# Altium PCB LED_12T-V1.1拼.PcbDoc (part 4 of 5)
Units mm, origin at the board's own origin, x right, y up, seen from the top; angles counter-clockwise.
Board outline 152.4 x 101.6 mm, 2 copper layers (Top Layer, Bottom Layer); 148 components, 0 nets, 416 pads, 236 vias.
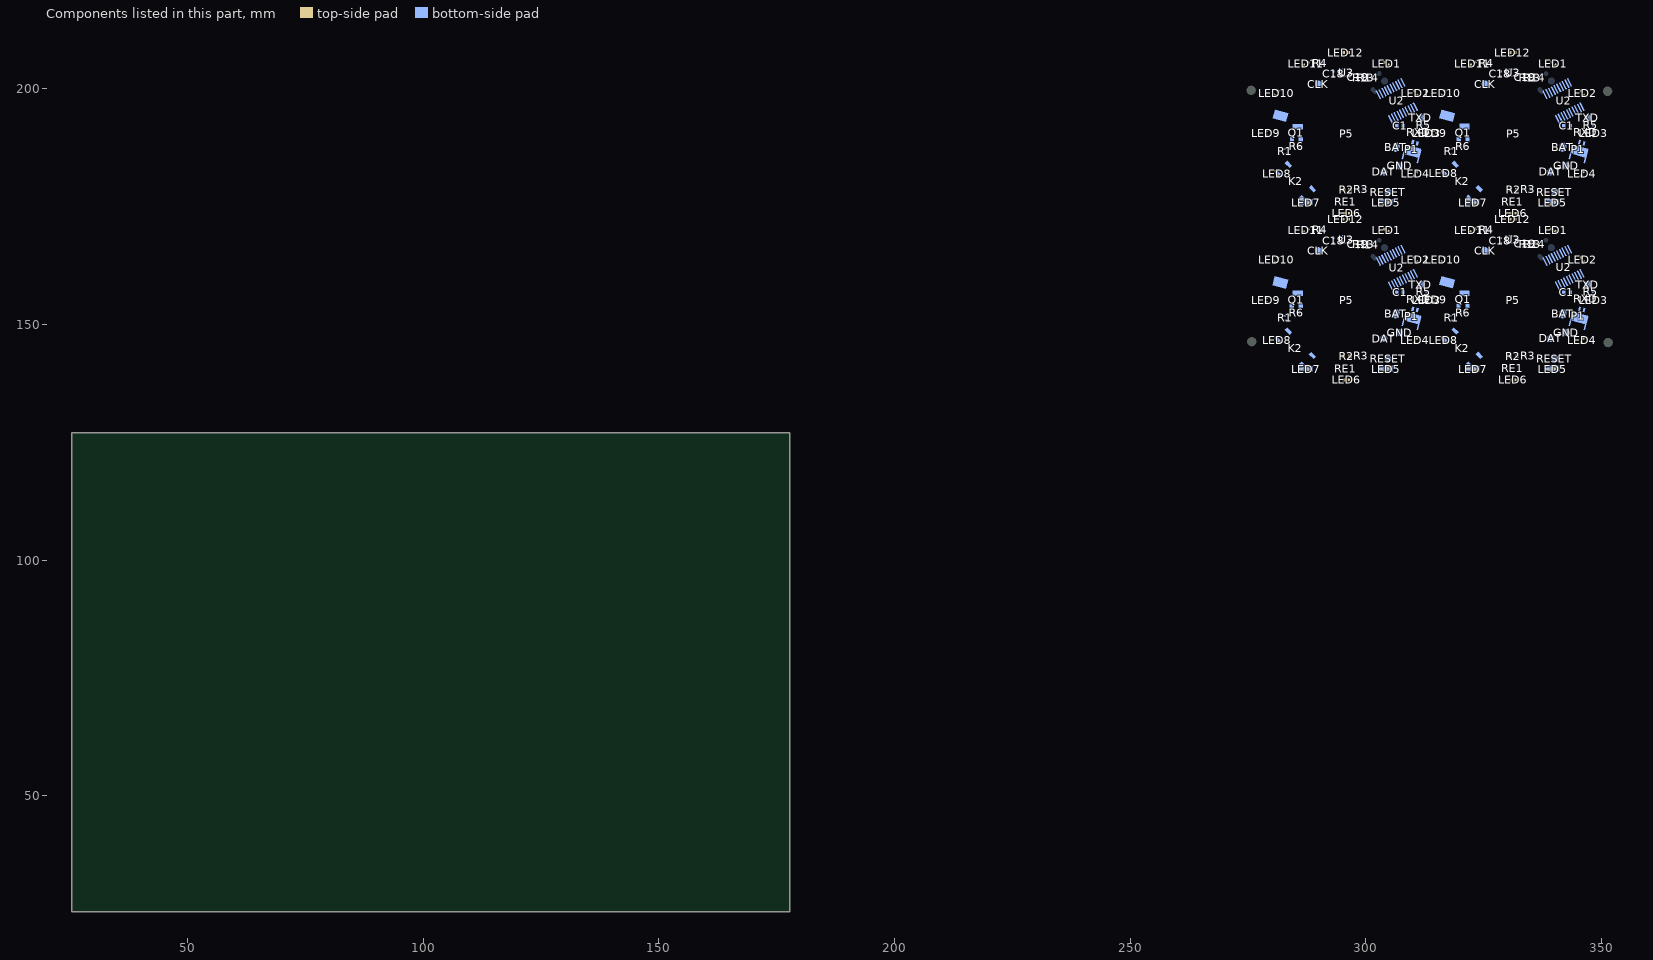
[diagram p4: the components of this part, seen from the top]

## Via types
v1: diameter 0.5, hole 0.3, Top Layer to Bottom Layer, 236 vias

## Nets (pads, with @x,y where several pads share a name; then routed paths per layer and width w, separated by ;. In a path a pad name is that pad's centre, name@x,y a point inside that pad or via, vN(x,y) a via of type N, cw(c..) or ccw(c..) an arc to the next point about the centre after c; other vN are vias at no path point) (continued)
copper on no net: (continued)
  Bottom Layer w0.254: v1@280.344,149.433 280.344,152.446 v1@282.397,154.499 ; v1@280.349,184.792 280.349,187.805 v1@282.402,189.858 ; 282.549,157.988 282.736,157.988 283.139,157.585 v1@283.592,157.585 ; 282.555,193.347 282.742,193.347 283.145,192.944 v1@283.597,192.944 ; 282.708,151.94 283.164,152.462 ; 282.714,187.299 283.17,187.821 ; 282.736,159.414 283.946,159.414 284.133,159.228 284.133,158.864 v1@283.936,158.667 ; 282.742,194.773 283.951,194.773 284.138,194.587 284.138,194.223 v1@283.942,194.026 ; 282.852,151.973 282.957,151.973 283.242,152.258 283.242,156.117 282.077,156.652 279.778,156.929 279.512,157.472 279.443,157.645 280.205,160.533 280.61,161.55 281.187,161.885 282.989,162.174 283.714,162.574 ; 282.858,187.332 282.963,187.332 283.247,187.617 283.247,191.477 282.082,192.011 279.783,192.288 279.518,192.831 279.448,193.004 280.211,195.892 280.615,196.909 281.193,197.244 282.995,197.533 283.719,197.933 ; 282.877,150.86 282.969,150.86 ; 282.883,186.219 282.974,186.219 ; 282.897,150.724 284.038,150.417 ; 282.902,186.083 284.044,185.776 ; 282.946,150.879 283.564,150.879 290.291,144.152 290.291,140.686 291.029,139.948 v1@291.136,139.948 ; 282.952,186.238 283.569,186.238 290.297,179.511 290.297,176.045 291.035,175.307 v1@291.142,175.307 ; 283.007,150.808 283.007,150.912 ; 283.012,186.167 283.012,186.271 ; 283.169,158.352 283.189,158.333 283.189,157.674 ; 283.174,193.711 283.194,193.692 283.194,193.033 ; 283.285,150.745 283.71,150.656 ; 283.291,186.104 283.716,186.015 ; 283.326,157.664 283.326,159.031 283.621,159.326 ; 283.332,193.023 283.332,194.39 283.627,194.685 ; 283.464,158.785 283.504,158.785 ; 283.469,194.144 283.509,194.144 ; v1@283.503,157.742 283.503,158.559 v1@283.995,159.05 ; v1@283.509,193.101 283.509,193.918 v1@284.001,194.41 ; 283.513,148.588 284.263,148.32 286.78,145.645 ; 283.519,183.947 284.269,183.679 286.785,181.004 ; 283.552,158.864 283.552,158.937 283.554,158.939 ; 283.558,194.223 283.558,194.296 283.56,194.298 ; 283.564,148.622 283.564,148.281 286.273,145.573 v1@287.714,145.573 ; 283.57,183.981 283.57,183.64 286.278,180.932 v1@287.72,180.932 ; 283.611,159.149 283.69,159.07 283.69,158.923 ; 283.617,194.508 283.696,194.429 283.696,194.282 ; v1@283.631,158.116 283.631,158.426 ; v1@283.637,193.475 283.637,193.785 ; 283.648,148.328 285.155,146.876 ; 283.653,183.687 285.16,182.235 ; 283.747,159.078 283.936,159.267 283.975,159.267 ; 283.753,194.437 283.942,194.626 283.981,194.626 ; 283.774,162.588 290.172,164.737 290.5,165.397 ; 283.779,197.947 290.178,200.096 290.505,200.756 ; 283.788,159.218 283.788,159.236 ; 283.79,148.565 286.512,145.543 ; 283.794,194.577 283.794,194.595 ; 283.795,183.924 286.517,180.902 ; v1@283.805,144.149 285.126,145.47 v1@287.852,145.47 ; v1@283.811,179.508 285.132,180.829 v1@287.857,180.829 ; 284.929,156.94 285.004,157.475 285.249,157.512 285.471,157.482 285.531,157.282 285.598,156.925 285.368,156.599 285.338,156.591 ; 284.935,192.299 285.009,192.834 285.254,192.871 285.477,192.841 285.536,192.641 285.603,192.284 285.373,191.958 285.343,191.95 ; 284.963,156.836 284.963,157.03 v1@285.05,157.117 ; 284.969,192.195 284.969,192.389 v1@285.055,192.476 ; v1@285.089,142.023 286.081,141.182 ; v1@285.095,177.382 286.086,176.541 ; v1@285.136,142.273 286.075,142.273 287.398,140.95 287.523,140.95 ; 285.136,156.749 285.136,157.257 v1@285.147,157.268 ; v1@285.141,177.632 286.08,177.632 287.403,176.309 287.529,176.309 ; 285.142,192.108 285.142,192.617 v1@285.153,192.627 ; v1(285.15,142.173) 286.174,141.15 286.304,141.15 ; v1(285.156,177.532) 286.179,176.509 286.31,176.509 ; 285.212,156.684 285.277,156.749 v1@285.277,157.257 ; 285.218,192.043 285.283,192.108 v1@285.283,192.617 ; v1@285.385,157.225 285.418,157.193 285.418,156.879 ; v1@285.391,192.584 285.423,192.552 285.423,192.238 ; 285.404,142.13 286.084,141.45 286.316,141.45 ; 285.41,177.489 286.089,176.81 286.321,176.81 ; 285.645,142.094 286.084,141.656 286.182,141.656 ; 285.651,177.453 286.089,177.015 286.187,177.015 ; 285.731,152.8 285.829,152.898 285.829,153.709 286.013,153.893 ; 285.737,188.159 285.834,188.257 285.834,189.068 286.018,189.252 ; 285.75,152.329 285.75,150.126 293.225,142.651 299.056,142.651 299.529,143.124 299.529,143.249 ; 285.755,187.688 285.755,185.485 293.23,178.01 299.062,178.01 299.535,178.483 299.535,178.608 ; 285.807,152.541 285.807,152.595 285.991,152.779 285.991,153.882 ; 285.813,187.9 285.813,187.954 285.997,188.138 285.997,189.241 ; 285.818,152.4 285.818,152.508 286.272,152.963 286.272,153.731 ; 285.824,187.759 285.824,187.867 286.278,188.322 286.278,189.09 ; 285.842,142.076 286.084,141.835 286.11,141.835 ; 285.848,177.435 286.089,177.194 286.116,177.194 ; 285.887,141.594 285.887,141.105 286.033,140.959 286.11,140.959 ; 285.892,176.953 285.892,176.464 286.038,176.318 286.116,176.318 ; 285.907,150.087 285.907,152.594 ; 285.913,185.446 285.913,187.954 ; 285.969,152.367 286.175,152.573 286.175,153.882 ; 285.975,187.727 286.181,187.932 286.181,189.241 ; 285.976,142.121 286.307,141.79 286.379,141.79 ; 285.982,177.48 286.313,177.149 286.384,177.149 ; 286.074,152.604 286.074,149.801 286.586,149.29 ; 286.078,146.256 v1@287.851,145.717 ; 286.08,187.963 286.08,185.16 286.591,184.649 ; 286.083,181.615 v1@287.856,181.076 ; 286.212,152.836 286.228,151.333 ; 286.217,188.195 286.234,186.692 ; 286.253,149.798 286.416,153.539 ; 286.258,185.157 286.421,188.898 ; 286.363,145.943 v1@287.732,145.674 ; 286.369,181.302 v1@287.738,181.033 ; 286.444,145.755 287.312,145.663 ; 286.45,181.114 287.317,181.022 ; 287.538,163.854 290.194,165.685 ; 287.543,199.213 290.199,201.044 ; 288.276,164.209 290.185,165.017 ; 288.281,199.569 290.19,200.376 ; 288.306,164.487 289.972,165.703 ; 288.311,199.846 289.977,201.062 ; 288.762,164.478 290.046,165.129 ; 288.767,199.838 290.052,200.488 ; 288.858,164.753 289.538,165.746 v1@289.565,165.799 ; 288.864,200.112 289.543,201.105 v1@289.57,201.158 ; 289.225,165.129 289.511,165.549 ; 289.229,164.96 289.882,165.275 ; 289.23,200.488 289.516,200.908 ; 289.234,200.319 289.887,200.634 ; 289.712,165.643 291.39,167.182 291.396,167.201 ; 289.717,201.002 291.396,202.541 291.402,202.56 ; 289.774,165.303 ccw(c289.774,166.989) 291.46,166.989 291.46,169.379 cw(c292.213,169.379) 292.213,170.131 ; 289.78,200.663 ccw(c289.78,202.348) 291.465,202.348 291.465,204.738 cw(c292.218,204.738) 292.218,205.49 ; 290.078,165.554 291.314,166.904 ; 290.083,200.913 291.32,202.264 ; 290.116,165.668 290.456,166.173 ; 290.121,201.027 290.462,201.532 ; 290.28,165.491 291.289,166.633 ; 290.285,200.85 291.295,201.992 ; 290.564,165.529 291.182,166.217 291.188,166.236 ; 290.569,200.888 291.187,201.576 291.194,201.595 ; 290.647,170.321 cw(c295.881,155.242) 306.8,166.884 ; 290.652,205.68 cw(c295.886,190.601) 306.805,202.243 ; 290.807,140.243 292.072,139.845 ; 290.813,175.602 292.078,175.204 ; 290.915,169.862 291.431,170.499 ; 290.921,205.222 291.437,205.858 ; 290.921,170.138 291.156,170.367 ; 290.926,205.497 291.162,205.726 ; v1@291.046,139.903 291.125,139.824 v1@297.395,139.824 ; v1@291.052,175.262 291.13,175.183 v1@297.401,175.183 ; 292.184,170.154 cw(c295.953,155.279) 306.156,166.741 cw(c306.156,166.674) 306.223,166.674 306.223,166.256 ccw(c306.289,166.256) 306.289,166.189 ; 292.189,205.513 cw(c295.958,190.638) 306.162,202.1 cw(c306.162,202.033) 306.229,202.033 306.229,201.615 ccw(c306.295,201.615) 306.295,201.549 ; 293.129,168.355 293.243,168.241 295.05,168.241 ; 293.134,203.714 293.248,203.6 295.055,203.6 ; 293.174,168.251 293.15,168.251 292.723,168.251 ccw(c292.723,167.851) 292.44,168.134 ccw(c292.685,167.889) 292.339,167.889 292.339,167.181 ccw(c293.298,167.181) 292.62,166.503 ccw(c293.618,167.501) 293.618,166.089 296.535,166.089 ccw(c296.535,166.755) 297.006,166.284 ccw(c296.705,166.586) 297.131,166.586 v1@297.131,167.166 ; 293.179,203.61 293.156,203.61 292.728,203.61 ccw(c292.728,203.21) 292.446,203.493 ccw(c292.691,203.248) 292.344,203.248 292.344,202.54 ccw(c293.304,202.54) 292.625,201.862 ccw(c293.624,202.86) 293.624,201.448 296.54,201.448 ccw(c296.54,202.114) 297.012,201.643 ccw(c296.71,201.945) 297.136,201.945 v1@297.136,202.525 ; 293.262,167.248 294.218,167.15 v1@294.477,166.66 ; 293.268,202.607 294.224,202.509 v1@294.482,202.019 ; 293.3,167.265 293.279,167.285 295.086,167.285 ; 293.306,202.624 293.285,202.644 295.092,202.644 ; 293.777,167.194 v1@294.406,166.592 ; 293.783,202.553 v1@294.412,201.951 ; v1(294.445,143.365) cw(c294.464,143.365) 294.464,143.384 298.502,143.384 ; v1(294.45,178.725) cw(c294.469,178.725) 294.469,178.744 298.507,178.744 ; 294.475,167.185 cw(c294.272,166.982) 294.559,166.982 v1@294.559,166.672 ; 294.48,202.544 cw(c294.278,202.341) 294.564,202.341 v1@294.564,202.032 ; v1@294.498,143.503 297.83,143.523 ; v1@294.502,143.249 298.534,143.169 ; v1@294.503,178.862 297.835,178.882 ; v1@294.507,178.608 298.54,178.528 ; v1@294.614,166.684 294.673,167.158 ; v1@294.619,202.043 294.678,202.517 ; v1@294.641,166.668 294.833,167.15 ; v1@294.647,202.027 294.839,202.509 ; v1@294.735,172.399 cw(c295.921,155.213) v1@313.114,156.286 ; v1@294.74,207.758 cw(c295.927,190.572) v1@313.119,191.645 ; v1@294.876,172.6 295.423,172.422 ; v1@294.881,207.96 295.428,207.781 ; 295.055,167.784 295.055,168.225 ; 295.06,203.143 295.06,203.584 ; v1@295.162,166.645 295.489,166.898 ; v1@295.167,202.004 295.495,202.257 ; v1@295.368,166.559 295.563,166.754 295.563,167.263 ; v1@295.374,201.918 295.568,202.113 295.568,202.622 ; 295.57,168.824 ccw(c295.608,168.824) 295.608,168.786 ; 295.576,204.183 ccw(c295.614,204.183) 295.614,204.146 ; 295.608,168.805 ccw(c295.608,168.778) 295.582,168.778 295.582,168.33 ccw(c296.093,168.33) 296.093,167.819 296.472,167.819 ; 295.614,204.164 ccw(c295.614,204.137) 295.587,204.137 295.587,203.69 ccw(c296.099,203.69) 296.099,203.178 296.477,203.178 ; 296.048,168.882 296.048,169.194 296.3,169.446 299.389,169.446 ; 296.054,204.241 296.054,204.553 296.306,204.805 299.394,204.805 ; v1@296.107,166.652 296.107,167.268 ; v1@296.112,202.011 296.112,202.628 ; 296.567,167.27 v1@296.972,167.168 ; 296.572,202.629 v1@296.977,202.527 ; 296.588,167.797 297.851,167.797 cw(c297.851,167.534) 298.114,167.534 ; 296.593,139.806 297.632,140.13 ; 296.594,203.156 297.857,203.156 cw(c297.857,202.893) 298.119,202.893 ; 296.599,175.166 297.637,175.489 ; 296.636,168.791 298.973,168.791 ; 296.641,204.151 298.979,204.151 ; 296.661,167.217 297.147,166.767 ; 296.667,202.577 297.152,202.127 ; 296.716,167.755 v1@297.623,167.664 ; 296.722,203.114 v1@297.628,203.023 ; v1@297.127,167.08 ccw(c297.56,167.08) 297.56,166.647 298.213,166.647 cw(c298.213,166.626) 298.234,166.626 ccw(c298.241,166.626) 298.241,166.619 298.447,166.619 ; v1@297.133,202.439 ccw(c297.566,202.439) 297.566,202.006 298.218,202.006 cw(c298.218,201.985) 298.24,201.985 ccw(c298.247,201.985) 298.247,201.978 298.453,201.978 ; v1@297.147,166.991 298.128,166.518 ; v1@297.152,202.35 298.133,201.877 ; v1@297.231,167.036 298.248,166.706 ; v1@297.236,202.395 298.253,202.065 ; v1@297.25,166.942 297.985,166.696 ; v1@297.256,202.301 297.991,202.055 ; 297.272,143.365 v1@298.221,144.178 ; 297.278,178.724 v1@298.227,179.537 ; v1@297.421,139.837 297.46,139.837 297.722,140.099 300.641,140.099 302.671,142.128 v1@303.312,142.128 ; v1@297.427,175.196 297.466,175.196 297.728,175.458 300.647,175.458 302.676,177.487 v1@303.318,177.487 ; v1@297.606,167.629 298.393,167.587 ; v1@297.612,202.988 298.399,202.946 ; 297.685,143.377 v1@298.349,144.05 ; 297.691,178.736 v1@298.354,179.409 ; 298.039,143.438 298.366,143.744 298.366,143.752 ; 298.044,178.797 298.372,179.103 298.372,179.111 ; 298.415,143.46 298.437,143.483 v1@298.437,144.108 ; 298.416,143.389 298.612,143.688 v1@298.55,144.194 ; 298.42,178.819 298.443,178.842 v1@298.443,179.467 ; 298.422,178.748 298.618,179.047 v1@298.555,179.553 ; v1@298.432,144.269 298.518,144.183 298.518,143.724 ; v1@298.437,179.628 298.523,179.542 298.523,179.083 ; 298.551,167.466 299.454,166.527 ; 298.557,202.825 299.46,201.887 ; 299.003,168.795 cw(c299.158,165.7) v1@302.252,165.889 ; 299.008,204.155 cw(c299.164,201.059) v1@302.258,201.249 ; 299.418,169.45 cw(c299.574,166.354) 302.634,166.848 ccw(c302.83,166.848) 302.691,166.71 302.945,165.706 302.844,165.059 302.859,164.403 ; 299.424,204.809 cw(c299.58,201.713) 302.64,202.207 ccw(c302.835,202.207) 302.697,202.069 302.951,201.066 302.849,200.418 302.865,199.762 ; 299.431,166.562 300.453,166.558 ; 299.436,201.921 300.459,201.917 ; 299.48,166.437 300.39,166.437 ; 299.486,201.796 300.395,201.796 ; 299.512,143.819 300.017,144.318 ; 299.518,143.425 299.504,143.425 299.504,143.585 ccw(c299.442,143.585) 299.442,143.648 ccw(c299.442,143.71) 299.504,143.71 299.504,144.14 cw(c299.643,144.14) 299.643,144.279 ; 299.518,179.178 300.022,179.677 ; 299.524,178.785 299.51,178.785 299.51,178.944 ccw(c299.447,178.944) 299.447,179.007 ccw(c299.447,179.069) 299.51,179.069 299.51,179.499 cw(c299.649,179.499) 299.649,179.638 ; 299.56,143.439 299.567,143.439 cw(c299.567,143.432) 299.574,143.432 299.574,143.557 cw(c299.622,143.557) 299.622,143.606 cw(c299.622,143.613) 299.615,143.613 299.615,144.036 cw(c299.858,144.036) 299.858,144.279 ; 299.565,178.798 299.572,178.798 cw(c299.572,178.792) 299.579,178.792 299.579,178.916 cw(c299.628,178.916) 299.628,178.965 cw(c299.628,178.972) 299.621,178.972 299.621,179.395 cw(c299.864,179.395) 299.864,179.638 ; 300.504,167.467 300.512,167.467 300.939,167.467 ; 300.51,202.826 300.518,202.826 300.945,202.826 ; 300.582,167.429 300.988,167.409 ; 300.588,202.788 300.994,202.768 ; 301.695,168.674 301.71,168.659 303.003,168.216 ; 301.7,204.033 301.715,204.018 303.008,203.575 ; 301.887,168.504 302.84,167.943 ; 301.892,203.863 302.846,203.302 ; 302.256,168.179 302.508,167.75 ; 302.262,203.538 302.513,203.11 ; v1@302.514,140.194 302.514,140.778 302.75,141.015 ; v1@302.519,175.554 302.519,176.137 302.756,176.374 ; v1@302.558,140.106 303.814,140.106 ; v1@302.563,175.465 303.82,175.465 ; 302.589,167.204 302.641,167.551 ; 302.594,202.563 302.646,202.91 ; v1@302.72,140.158 302.72,140.823 302.853,140.956 ; v1@302.726,175.517 302.726,176.182 302.859,176.315 ; 302.766,167.625 302.788,166.642 ; 302.772,202.984 302.794,202.001 ; 302.781,166.369 302.914,167.662 ; 302.787,201.728 302.92,203.021 ; 302.855,170.965 v1@303.256,170.624 ; 302.861,206.324 v1@303.262,205.983 ; v1@303.273,170.641 304.04,170.4 ; v1@303.279,206 304.046,205.759 ; 303.433,140.807 303.516,140.807 306.741,144.032 ; 303.433,140.926 303.456,140.926 306.515,143.984 ; 303.438,176.166 303.521,176.166 306.747,179.391 ; 303.438,176.285 303.462,176.285 306.52,179.343 ; 303.548,140.97 302.994,140.97 302.816,141.148 302.624,141.148 302.299,140.823 302.299,139.951 302.351,139.899 303.674,139.899 304.014,140.239 ; 303.554,176.329 302.999,176.329 302.822,176.507 302.63,176.507 302.305,176.182 302.305,175.31 302.356,175.258 303.679,175.258 304.019,175.598 ; 303.956,140.926 306.943,143.913 306.943,144.496 ; 303.962,176.285 306.949,179.272 306.949,179.855 ; v1@304.053,159.875 304.053,160.339 305.19,161.476 306.767,161.476 307.853,160.39 ; v1@304.059,195.234 304.059,195.698 305.195,196.835 306.773,196.835 307.858,195.749 ; v1@304.868,159.719 304.868,160.283 305.497,160.913 306.462,160.913 307.208,160.166 ; v1@304.873,195.078 304.873,195.642 305.503,196.272 306.468,196.272 307.214,195.525 ; v1@305.632,160.356 306.181,160.33 306.339,160.308 306.556,160.065 306.74,159.686 ; v1@305.638,195.715 306.186,195.689 306.345,195.667 306.562,195.424 306.746,195.045 ; v1@305.74,160.11 306.315,160.098 306.698,159.818 ; v1@305.746,195.469 306.32,195.457 306.703,195.178 ; 305.806,158.572 306.43,157.409 306.426,154.823 306.412,153.296 ; 305.812,193.931 306.435,192.768 306.431,190.182 306.418,188.655 ; 305.903,152.592 306.386,153.632 ; 305.908,187.951 306.391,188.991 ; 306.078,151.653 306.053,152.56 306.204,153.115 ; 306.084,187.012 306.059,187.919 306.21,188.474 ; 306.134,166.752 306.163,166.752 306.329,166.587 306.329,166.345 ; 306.14,202.112 306.168,202.112 306.334,201.946 306.334,201.704 ; 306.176,151.956 306.176,152.443 306.314,152.581 ; 306.181,187.315 306.181,187.802 306.319,187.941 ; 306.204,157.59 306.456,156.76 306.47,156.76 ; 306.21,192.949 306.461,192.119 306.475,192.119 ; 306.322,151.972 306.322,153.085 306.558,153.321 ; 306.327,187.331 306.327,188.444 306.563,188.68 ; 306.394,157.476 306.645,157.016 ; 306.399,192.835 306.651,192.375 ; 306.445,158.69 v1(307,157.715) ; 306.451,194.049 v1(307.006,193.074) ; 306.48,152.141 306.911,152.477 306.858,153.296 ; 306.484,152.216 306.484,153.102 306.566,153.183 ; 306.486,187.5 306.916,187.836 306.864,188.655 ; 306.49,187.575 306.49,188.461 306.571,188.542 ; 306.606,151.931 306.606,153.5 306.688,153.581 ; 306.612,187.29 306.612,188.859 306.693,188.94 ; 306.649,153.507 306.666,156.673 ; 306.655,188.866 306.671,192.032 ; 306.738,148.58 308.181,151.129 308.201,151.164 ; 306.741,166.942 306.751,166.942 306.916,166.776 306.916,166.563 ; 306.744,183.939 308.187,186.488 308.207,186.523 ; 306.747,202.301 306.756,202.301 306.922,202.135 306.922,201.922 ; 306.772,153.859 306.862,153.238 ; 306.775,153.078 306.834,153.238 306.842,156.555 ; 306.778,189.218 306.868,188.597 ; 306.781,188.437 306.839,188.597 306.848,191.914 ; 306.789,157.959 306.893,157.728 v1@306.951,157.603 ; 306.792,148.281 306.891,148.828 307.267,149.146 ; 306.795,193.318 306.898,193.087 v1@306.956,192.962 ; 306.798,183.64 306.897,184.187 307.272,184.505 ; 306.835,145.064 307.636,146.071 ; 306.84,180.423 307.642,181.431 ; 306.902,157.986 v1@307.081,157.825 ; 306.907,193.345 v1@307.087,193.184 ; 307.001,159.111 308.246,156.653 ; 307.006,194.47 308.252,192.012 ; 307.056,144.422 308.171,146.499 ; 307.062,179.782 308.176,181.858 ; 307.075,148.65 307.075,148.977 308.15,150.052 308.15,150.427 ; 307.08,184.01 307.08,184.336 308.156,185.412 308.156,185.786 ; 307.102,144.148 307.484,144.552 307.819,146.064 ; 307.107,179.507 307.489,179.911 307.825,181.423 ; v1@307.144,148.539 307.144,148.817 308.699,150.372 308.699,151.69 309.157,152.149 ; v1@307.15,183.898 307.15,184.176 308.704,185.731 308.704,187.05 309.162,187.508 ; 307.194,144.364 309.772,148.529 ; 307.2,179.723 309.778,183.888 ; 307.209,144.926 307.697,146.018 ; 307.214,180.285 307.703,181.377 ; 307.222,144.738 307.203,144.766 307.222,146.013 307.582,146.327 307.582,146.318 ; 307.227,180.097 307.209,180.125 307.227,181.372 307.588,181.686 307.588,181.677 ; 307.239,145.178 307.514,145.949 ; 307.245,180.537 307.52,181.308 ; 307.32,148.999 307.904,150.023 ; 307.325,184.358 307.909,185.383 ; 307.366,145.869 307.434,146.004 ; 307.369,149.292 307.997,150.441 308.112,150.651 ; 307.372,181.228 307.439,181.363 ; 307.375,184.652 308.002,185.8 308.118,186.01 ; 307.454,146.16 308.318,146.997 ; 307.46,181.519 308.324,182.356 ; 307.495,158.307 308.249,157.187 308.15,156.734 ; 307.5,193.666 308.254,192.546 308.155,192.094 ; 307.53,145.464 309.52,148.613 ; 307.535,180.823 309.526,183.972 ; 307.62,157.799 307.689,157.088 307.861,156.713 307.878,156.709 ; 307.625,193.158 307.694,192.447 307.867,192.072 307.884,192.068 ; 307.666,146.076 v1@309.068,149.219 ; 307.672,181.435 v1@309.074,184.578 ; 307.729,146.08 309.126,148.736 ; 307.734,181.439 309.131,184.095 ; 307.783,156.404 308.446,153.313 ; 307.788,191.763 308.452,188.672 ; 307.813,146.492 v1@308.981,148.996 ; 307.818,181.851 v1@308.986,184.355 ; 307.831,157.178 307.84,157.019 ; v1@307.836,161.802 308.739,161.554 309.045,161.75 309.668,161.897 309.927,161.845 310.18,161.433 ; 307.836,192.537 307.845,192.378 ; v1@307.841,197.161 308.744,196.913 309.051,197.109 309.674,197.257 309.932,197.204 310.186,196.792 ; 307.916,150.003 307.924,150.018 308.283,150.714 ; 307.921,185.362 307.929,185.377 308.289,186.073 ; v1@307.941,162.055 308.522,161.818 v1@309.28,162.032 ; 307.942,156.454 309.068,153.28 ; v1@307.946,197.415 308.527,197.177 v1@309.286,197.391 ; 307.948,191.813 309.073,188.639 ; 308.008,145.945 309.682,148.555 ; 308.014,181.304 309.688,183.914 ; 308.06,155.883 308.732,153.523 ; 308.065,191.242 308.737,188.882 ; 308.096,150.354 308.153,151.008 ; 308.101,185.714 308.158,186.367 ; 308.119,156.572 309.104,153.734 308.839,153.187 ; 308.124,191.931 309.11,189.094 308.844,188.546 ; 308.231,151.425 308.112,151.097 308.268,150.742 308.284,150.747 ; 308.237,186.784 308.117,186.456 308.274,186.101 308.289,186.106 ; 308.246,156.385 308.313,155.942 308.322,153.33 ; 308.252,191.744 308.319,191.301 308.328,188.689 ; 308.317,150.164 308.317,150.337 308.414,150.434 ; 308.323,185.523 308.323,185.696 308.42,185.793 ; 308.355,153.511 308.355,150.663 308.386,150.632 ; 308.361,188.87 308.361,186.022 308.391,185.991 ; 308.439,150.648 308.523,150.648 308.622,150.747 308.622,152.342 308.783,152.503 ; 308.444,186.007 308.528,186.007 308.628,186.106 308.628,187.702 308.788,187.862 ; 308.446,153.624 308.522,154.044 ; 308.452,188.983 308.527,189.403 ; 308.485,151.045 308.485,152.243 308.561,152.32 ; 308.49,186.404 308.49,187.602 308.567,187.679 ; 308.533,150.435 308.704,150.568 ; 308.533,152.323 308.533,153.808 308.73,154.005 ; 308.539,185.794 308.71,185.927 ; 308.539,187.682 308.539,189.167 308.736,189.364 ; 308.553,155.189 308.553,155.197 ; 308.559,190.548 308.559,190.556 ; 308.616,161.729 308.824,161.807 ; 308.622,197.089 308.829,197.166 ; 308.651,152.264 308.651,153.631 308.789,153.769 ; 308.657,187.623 308.657,188.99 308.795,189.128 ; 308.772,159.943 309.639,158.275 ; 308.777,195.303 309.644,193.634 ; 308.819,152.569 308.819,153.956 308.897,154.034 ; 308.824,187.928 308.824,189.315 308.903,189.393 ; 308.846,150.486 309.696,151.294 ; 308.851,185.845 309.702,186.653 ; v1@308.916,155.791 308.903,156.606 309.157,156.638 309.34,156.56 309.431,155.439 ; v1@308.922,191.15 308.909,191.965 309.163,191.998 309.346,191.919 309.437,190.798 ; v1@308.966,155.674 309.95,153.444 ; v1@308.971,191.033 309.956,188.803 ; v1@308.974,155.773 v1@309.089,156.339 ; v1@308.98,191.132 v1@309.095,191.699 ; 308.988,152.899 309.06,152.862 ; v1@308.989,155.759 v1@308.996,156.325 ; 308.992,152.531 309.005,152.785 ; 308.993,188.259 309.066,188.221 ; v1@308.994,191.118 v1@309.001,191.684 ; v1@308.996,155.669 310.051,153.59 ; 308.997,187.89 309.01,188.144 ; v1@309.002,191.029 310.056,188.949 ; 309.026,148.713 v1@309.137,148.966 ; 309.031,152.89 309.422,152.185 ; 309.032,184.072 v1@309.142,184.325 ; 309.036,188.249 309.428,187.545 ; 309.045,153.326 309.055,153.316 309.055,152.933 ; 309.05,188.685 309.06,188.675 309.06,188.292 ; v1@309.122,155.811 310.198,153.79 ; v1@309.128,191.17 310.204,189.149 ; v1@309.133,155.876 310.094,153.905 ; v1@309.138,191.235 310.099,189.264 ; 309.164,148.413 309.45,148.851 ; 309.17,183.772 309.456,184.21 ; 309.21,152.595 309.21,152.576 309.917,152.015 311.002,151.92 ; 309.216,187.954 309.216,187.935 309.922,187.374 311.008,187.279 ; v1@309.247,156.383 309.254,155.629 ; v1@309.253,191.742 309.26,190.988 ; v1@309.268,162.085 309.766,162.055 310.175,161.641 ; 309.271,160.324 310.77,157.543 311.041,157.068 311.646,156.753 ; v1@309.274,197.444 309.772,197.415 310.181,197 ; 309.277,195.684 310.775,192.902 311.047,192.427 311.651,192.112 ; v1@309.303,149.192 309.865,148.63 309.695,148.413 ; v1@309.308,184.551 309.871,183.989 309.7,183.772 ; 309.324,148.874 307.82,146.049 307.813,146.018 309.561,148.729 ; 309.33,184.233 307.826,181.408 307.818,181.378 309.566,184.088 ; 309.409,148.93 309.699,148.644 ; 309.414,184.289 309.705,184.003 ; 309.498,152.115 310.725,152.266 310.66,152.596 310.488,152.18 ; 309.504,187.474 310.73,187.625 310.666,187.955 310.494,187.539 ; 309.551,152.353 309.561,152.353 310.5,152.113 ; 309.556,187.712 309.567,187.712 310.505,187.472 ; 309.752,154.422 310.051,154.158 ; 309.757,189.781 310.056,189.517 ; 309.853,151.866 310.14,151.866 310.648,152.375 310.648,152.557 ; 309.858,187.225 310.145,187.225 310.654,187.734 310.654,187.916 ; 309.873,165.207 310.029,164.563 310.48,164.288 ; 309.879,200.566 310.035,199.922 310.485,199.647 ; 309.908,160.551 310.726,158.961 311.189,158.096 ; 309.914,195.91 310.731,194.321 311.194,193.455 ; 310.263,159.785 311.559,158.603 ; 310.269,195.144 311.565,193.963 ; 310.634,152.191 310.991,153.245 ; 310.639,187.55 310.996,188.604 ; 310.771,152.259 310.807,152.192 ; 310.776,187.618 310.813,187.551 ; 310.791,159.131 311.433,158.449 ; 310.796,194.49 311.439,193.808 ; 310.807,151.833 310.807,152.551 ; 310.812,187.192 310.812,187.91 ; 310.874,152.051 311.052,153.217 ; 310.879,187.411 311.058,188.576 ; 310.901,155.467 310.992,157.097 ; 310.906,190.826 310.998,192.456 ; 310.951,152.114 311.181,152.721 ; 310.957,187.473 311.186,188.08 ; 310.958,152.384 310.971,152.492 ; 310.96,157.293 311.65,157.121 311.733,157.084 ; 310.963,187.743 310.977,187.851 ; 310.965,192.652 311.656,192.48 311.739,192.443 ; 311.015,158.712 311.129,158.38 ; 311.02,194.072 311.135,193.739 ; 311.059,151.688 311.348,152.792 311.102,153.212 ; 311.059,155.436 311.212,157.006 311.212,157.018 ; 311.065,187.047 311.353,188.152 311.108,188.571 ; 311.065,190.795 311.217,192.365 311.217,192.377 ; 311.125,152.877 311.169,152.81 ; 311.13,188.236 311.175,188.169 ; 311.181,152.444 311.383,151.945 ; 311.186,187.804 311.389,187.304 ; 311.2,155.742 311.34,156.249 311.34,156.273 ; 311.205,191.101 311.346,191.608 311.346,191.632 ; 311.224,156.978 311.461,155.793 ; 311.23,192.337 311.467,191.152 ; 311.247,157.131 311.706,156.941 ; 311.252,192.49 311.711,192.3 ; 311.337,152.414 311.457,152.168 311.621,151.834 ; 311.342,187.773 311.463,187.527 311.627,187.193 ; 311.404,156.921 311.585,155.779 ; 311.41,192.28 311.59,191.138 ; 311.465,152.291 311.487,152.278 311.599,152.213 ; 311.468,155.186 311.837,155.806 311.688,156.391 ; 311.47,187.65 311.493,187.638 311.604,187.572 ; 311.474,190.545 311.842,191.165 311.693,191.75 ; 311.499,155.546 311.719,155.943 ; 311.505,190.905 311.724,191.302 ; 311.565,151.646 311.712,151.744 311.711,151.781 ; 311.57,187.005 311.717,187.103 311.716,187.14 ; 311.605,152.235 311.694,152.192 311.766,152.157 ; 311.61,187.594 311.7,187.551 311.772,187.517 ; 311.63,156.972 311.685,156.009 ; 311.636,192.331 311.69,191.368 ; 311.643,152.096 311.666,151.996 ; 311.649,187.455 311.671,187.355 ; 311.787,156.918 311.807,155.961 ; 311.792,192.277 311.812,191.32 ; 312.273,154.127 v1@312.347,153.408 ; 312.279,189.486 v1@312.353,188.767 ; 312.706,156.96 312.728,156.593 312.877,156.24 v1@312.881,156.251 ; 312.712,192.319 312.733,191.952 312.883,191.599 v1@312.886,191.61 ; 312.735,157.18 312.906,157.96 ; 312.74,192.54 312.911,193.319 ; 312.867,157.387 312.916,157.07 ; 312.872,192.746 312.922,192.429 ; 312.92,156.689 v1@312.945,156.468 ; 312.925,192.048 v1@312.95,191.827 ; v1@315.726,149.442 315.726,152.455 v1@317.78,154.508 ; v1@315.732,184.801 315.732,187.814 v1@317.785,189.867 ; 317.932,157.997 318.119,157.997 318.522,157.594 v1@318.975,157.594 ; 317.938,193.356 318.124,193.356 318.528,192.953 v1@318.98,192.953 ; 318.091,151.949 318.547,152.47 ; 318.096,187.308 318.553,187.83 ; 318.119,159.423 319.329,159.423 319.516,159.236 319.516,158.873 v1@319.319,158.676 ; 318.124,194.782 319.334,194.782 319.521,194.595 319.521,194.232 v1@319.324,194.035 ; 318.235,151.982 318.34,151.982 318.625,152.267 318.625,156.126 317.459,156.661 315.161,156.938 314.895,157.481 314.826,157.654 315.588,160.542 315.992,161.559 316.57,161.894 318.372,162.182 319.097,162.583 ; 318.241,187.341 318.345,187.341 318.63,187.626 318.63,191.485 317.465,192.02 315.166,192.297 314.901,192.84 314.831,193.013 315.594,195.901 315.998,196.918 316.576,197.253 318.378,197.542 319.102,197.942 ; 318.26,150.868 318.352,150.868 ; 318.266,186.227 318.357,186.227 ; 318.279,150.733 319.421,150.426 ; 318.285,186.092 319.427,185.785 ; 318.329,150.888 318.947,150.888 325.674,144.16 325.674,140.694 326.412,139.957 v1@326.519,139.957 ; 318.334,186.247 318.952,186.247 325.68,179.52 325.68,176.054 326.417,175.316 v1@326.525,175.316 ; 318.389,150.817 318.389,150.921 ; 318.395,186.176 318.395,186.28 ; 318.552,158.361 318.571,158.341 318.571,157.682 ; 318.557,193.72 318.577,193.7 318.577,193.042 ; 318.668,150.753 319.093,150.664 ; 318.674,186.113 319.099,186.023 ; 318.709,157.673 318.709,159.04 319.004,159.335 ; 318.715,193.032 318.715,194.399 319.01,194.694 ; 318.847,158.794 318.886,158.794 ; 318.852,194.153 318.892,194.153 ; v1@318.886,157.751 318.886,158.568 v1@319.378,159.059 ; v1@318.892,193.11 318.892,193.927 v1@319.383,194.418 ; 318.896,148.597 319.646,148.329 322.163,145.654 ; 318.902,183.956 319.651,183.688 322.168,181.013 ; 318.935,158.873 318.935,158.945 318.937,158.947 ; 318.941,194.232 318.941,194.305 318.943,194.307 ; 318.947,148.631 318.947,148.29 321.655,145.582 v1@323.097,145.582 ; 318.953,183.99 318.953,183.649 321.661,180.941 v1@323.102,180.941 ; 318.994,159.158 319.073,159.079 319.073,158.932 ; 319,194.517 319.078,194.438 319.078,194.291 ; v1@319.014,158.125 319.014,158.435 ; v1@319.019,193.484 319.019,193.794 ; 319.03,148.337 320.537,146.885 ; 319.036,183.696 320.543,182.244 ; 319.13,159.087 319.319,159.276 319.358,159.276 ; 319.135,194.446 319.324,194.635 319.364,194.635 ; 319.157,162.597 325.555,164.746 325.883,165.406 ; 319.162,197.956 325.56,200.105 325.888,200.765 ; 319.171,159.227 319.171,159.245 ; 319.172,148.574 321.894,145.552 ; 319.177,194.586 319.177,194.604 ; 319.178,183.933 321.9,180.911 ; v1@319.188,144.158 320.509,145.478 v1@323.234,145.478 ; v1@319.194,179.517 320.515,180.838 v1@323.24,180.838 ; 320.312,156.949 320.387,157.484 320.632,157.521 320.854,157.491 320.914,157.291 320.981,156.934 320.75,156.607 320.721,156.6 ; 320.318,192.308 320.392,192.843 320.637,192.88 320.86,192.85 320.919,192.65 320.986,192.293 320.756,191.967 320.726,191.959 ; 320.346,156.844 320.346,157.039 v1@320.433,157.126 ; 320.352,192.204 320.352,192.398 v1@320.438,192.485 ; v1@320.472,142.032 321.463,141.191 ; v1@320.478,177.391 321.469,176.55 ; v1@320.519,142.282 321.457,142.282 322.781,140.959 322.906,140.959 ; 320.519,156.758 320.519,157.266 v1@320.53,157.277 ; v1@320.524,177.641 321.463,177.641 322.786,176.318 322.911,176.318 ; 320.525,192.117 320.525,192.625 v1@320.536,192.636 ; v1(320.533,142.182) 321.556,141.159 321.687,141.159 ; v1(320.538,177.541) 321.562,176.518 321.693,176.518 ; 320.595,156.693 320.66,156.758 v1@320.66,157.266 ; 320.601,192.052 320.665,192.117 v1@320.665,192.625 ; v1@320.768,157.234 320.801,157.201 320.801,156.888 ; v1@320.774,192.593 320.806,192.561 320.806,192.247 ; 320.787,142.139 321.466,141.459 321.699,141.459 ; 320.792,177.498 321.472,176.818 321.704,176.818 ; 321.028,142.103 321.466,141.665 321.565,141.665 ; 321.034,177.462 321.472,177.024 321.57,177.024 ; 321.114,152.809 321.212,152.906 321.212,153.718 321.396,153.902 ; 321.12,188.168 321.217,188.266 321.217,189.077 321.401,189.261 ; 321.133,152.338 321.133,150.135 328.608,142.66 334.439,142.66 334.912,143.133 334.912,143.258 ; 321.138,187.697 321.138,185.494 328.613,178.019 334.445,178.019 334.917,178.492 334.917,178.617 ; 321.19,152.549 321.19,152.604 321.374,152.787 321.374,153.891 ; 321.196,187.909 321.196,187.963 321.379,188.147 321.379,189.25 ; 321.201,152.409 321.201,152.517 321.655,152.971 321.655,153.74 ; 321.206,187.768 321.206,187.876 321.661,188.33 321.661,189.099 ; 321.225,142.085 321.466,141.844 321.493,141.844 ; 321.23,177.444 321.472,177.203 321.499,177.203 ; 321.27,141.602 321.27,141.114 321.416,140.968 321.493,140.968 ; 321.275,176.961 321.275,176.473 321.421,176.327 321.499,176.327 ; 321.29,150.095 321.29,152.603 ; 321.296,185.455 321.296,187.962 ; 321.352,152.376 321.558,152.582 321.558,153.891 ; 321.358,187.735 321.563,187.941 321.563,189.25 ; 321.359,142.13 321.69,141.799 321.761,141.799 ; 321.365,177.489 321.695,177.158 321.767,177.158 ; 321.457,152.613 321.457,149.81 321.969,149.299 ; 321.46,146.265 v1@323.233,145.726 ; 321.463,187.972 321.463,185.169 321.974,184.658 ; 321.466,181.624 v1@323.239,181.085 ; 321.595,152.845 321.611,151.342 ; 321.6,188.204 321.616,186.701 ; 321.635,149.807 321.799,153.547 ; 321.641,185.166 321.804,188.906 ; 321.746,145.952 v1@323.115,145.683 ; 321.752,181.311 v1@323.12,181.042 ; 321.827,145.764 322.695,145.672 ; 321.832,181.123 322.7,181.031 ; 322.921,163.863 325.576,165.694 ; 322.926,199.222 325.582,201.053 ; 323.658,164.218 325.568,165.025 ; 323.664,199.577 325.573,200.385 ; 323.689,164.496 325.354,165.712 ; 323.694,199.855 325.36,201.071 ; 324.144,164.487 325.429,165.138 ; 324.15,199.846 325.434,200.497 ; 324.241,164.762 324.921,165.755 v1@324.947,165.808 ; 324.247,200.121 324.926,201.114 v1@324.953,201.167 ; 324.608,165.138 324.894,165.558 ; 324.612,164.969 325.264,165.284 ; 324.613,200.497 324.899,200.917 ; 324.617,200.328 325.27,200.643 ; 325.095,165.652 326.773,167.191 326.779,167.21 ; 325.1,201.011 326.778,202.55 326.785,202.569 ; 325.157,165.312 ccw(c325.157,166.998) 326.843,166.998 326.843,169.387 cw(c327.595,169.387) 327.595,170.14 ; 325.162,200.671 ccw(c325.162,202.357) 326.848,202.357 326.848,204.747 cw(c327.601,204.747) 327.601,205.499 ; 325.461,165.563 326.697,166.913 ; 325.466,200.922 326.703,202.272 ; 325.498,165.677 325.839,166.181 ; 325.504,201.036 325.845,201.541 ; 325.662,165.5 326.672,166.642 ; 325.668,200.859 326.677,202.001 ; 325.946,165.538 326.565,166.226 326.571,166.245 ; 325.952,200.897 326.57,201.585 326.577,201.604 ; 326.03,170.329 cw(c331.264,155.251) 342.183,166.893 ; 326.035,205.689 cw(c331.269,190.61) 342.188,202.252 ; 326.19,140.252 327.455,139.854 ; 326.196,175.611 327.461,175.213 ; 326.298,169.871 326.814,170.508 ; 326.304,170.147 326.539,170.376 ; 326.304,205.23 326.82,205.867 ; 326.309,205.506 326.545,205.735 ; v1@326.429,139.912 326.507,139.833 v1@332.778,139.833 ; v1@326.434,175.271 326.513,175.192 v1@332.783,175.192 ; 327.566,170.163 cw(c331.336,155.288) 341.539,166.75 cw(c341.539,166.683) 341.606,166.683 341.606,166.264 ccw(c341.672,166.264) 341.672,166.198 ; 327.572,205.522 cw(c331.341,190.647) 341.544,202.109 cw(c341.544,202.042) 341.611,202.042 341.611,201.624 ccw(c341.677,201.624) 341.677,201.557 ; 328.512,168.364 328.626,168.249 330.433,168.249 ; 328.517,203.723 328.631,203.609 330.438,203.609 ; 328.557,168.26 328.533,168.26 328.106,168.26 ccw(c328.106,167.86) 327.823,168.143 ccw(c328.068,167.898) 327.722,167.898 327.722,167.19 ccw(c328.681,167.19) 328.003,166.512 ccw(c329.001,167.51) 329.001,166.098 331.918,166.098 ccw(c331.918,166.764) 332.389,166.293 ccw(c332.087,166.595) 332.514,166.595 v1@332.514,167.175 ; 328.562,203.619 328.539,203.619 328.111,203.619 ccw(c328.111,203.219) 327.829,203.502 ccw(c328.074,203.257) 327.727,203.257 327.727,202.549 ccw(c328.686,202.549) 328.008,201.871 ccw(c329.007,202.869) 329.007,201.457 331.923,201.457 ccw(c331.923,202.123) 332.394,201.652 ccw(c332.093,201.954) 332.519,201.954 v1@332.519,202.534 ; 328.645,167.257 329.601,167.159 v1@329.86,166.669 ; 328.651,202.616 329.607,202.518 v1@329.865,202.028 ; 328.683,167.273 328.662,167.294 330.469,167.294 ; 328.688,202.632 328.668,202.653 330.474,202.653 ; 329.16,167.203 v1@329.789,166.6 ; 329.166,202.562 v1@329.795,201.96 ; v1(329.827,143.374) cw(c329.846,143.374) 329.846,143.393 333.885,143.393 ; v1(329.833,178.733) cw(c329.852,178.733) 329.852,178.752 333.89,178.752 ; 329.858,167.194 cw(c329.655,166.991) 329.942,166.991 v1@329.942,166.681 ; 329.863,202.553 cw(c329.66,202.35) 329.947,202.35 v1@329.947,202.04 ; v1@329.881,143.512 333.213,143.532 ; v1@329.885,143.258 333.917,143.178 ; v1@329.886,178.871 333.218,178.891 ; v1@329.89,178.617 333.922,178.537 ; v1@329.997,166.692 330.055,167.166 ; v1@330.002,202.051 330.061,202.526 ; v1@330.024,166.677 330.216,167.159 ; v1@330.03,202.036 330.222,202.518 ; v1@330.118,172.408 cw(c331.304,155.222) v1@348.497,156.295 ; v1@330.123,207.767 cw(c331.309,190.581) v1@348.502,191.654 ; v1@330.258,172.609 330.806,172.431 ; v1@330.264,207.968 330.811,207.79 ; 330.438,167.793 330.438,168.234 ; 330.443,203.152 330.443,203.593 ; v1@330.545,166.654 330.872,166.907 ; v1@330.55,202.013 330.878,202.266 ; v1@330.751,166.568 330.946,166.763 330.946,167.272 ; v1@330.757,201.927 330.951,202.122 330.951,202.631 ; 330.953,168.833 ccw(c330.991,168.833) 330.991,168.795 ; 330.959,204.192 ccw(c330.996,204.192) 330.996,204.154 ; 330.991,168.814 ccw(c330.991,168.787) 330.964,168.787 330.964,168.339 ccw(c331.476,168.339) 331.476,167.828 331.855,167.828 ; 330.997,204.173 ccw(c330.997,204.146) 330.97,204.146 330.97,203.698 ccw(c331.482,203.698) 331.482,203.187 331.86,203.187 ; 331.431,168.891 331.431,169.203 331.683,169.455 334.771,169.455 ; 331.436,204.25 331.436,204.562 331.688,204.814 334.777,204.814 ; v1@331.49,166.661 331.49,167.277 ; v1@331.495,202.02 331.495,202.636 ; 331.949,167.279 v1@332.355,167.176 ; 331.955,202.638 v1@332.36,202.536 ; 331.971,167.806 333.234,167.806 cw(c333.234,167.543) 333.496,167.543 ; 331.976,139.815 333.015,140.139 ; 331.976,203.165 333.239,203.165 cw(c333.239,202.902) 333.502,202.902 ; 331.982,175.174 333.02,175.498 ; 332.019,168.8 334.356,168.8 ; 332.024,204.159 334.361,204.159 ; 332.044,167.226 332.53,166.776 ; 332.049,202.585 332.535,202.135 ; 332.099,167.764 v1@333.005,167.673 ; 332.104,203.123 v1@333.011,203.032 ; v1@332.51,167.089 ccw(c332.943,167.089) 332.943,166.656 333.596,166.656 cw(c333.596,166.635) 333.617,166.635 ccw(c333.624,166.635) 333.624,166.628 333.83,166.628 ; v1@332.516,202.448 ccw(c332.948,202.448) 332.948,202.015 333.601,202.015 cw(c333.601,201.994) 333.623,201.994 ccw(c333.63,201.994) 333.63,201.987 333.835,201.987 ; v1@332.53,167 333.511,166.527 ; v1@332.535,202.359 333.516,201.886 ; v1@332.614,167.045 333.63,166.715 ; v1@332.619,202.404 333.636,202.074 ; v1@332.633,166.951 333.368,166.705 ; v1@332.639,202.31 333.374,202.064 ; 332.655,143.374 v1@333.604,144.187 ; 332.661,178.733 v1@333.61,179.546 ; v1@332.804,139.846 332.843,139.846 333.105,140.108 336.024,140.108 338.053,142.137 v1@338.695,142.137 ; v1@332.81,175.205 332.849,175.205 333.111,175.467 336.03,175.467 338.059,177.496 v1@338.7,177.496 ; v1@332.989,167.638 333.776,167.595 ; v1@332.995,202.997 333.782,202.955 ; 333.068,143.386 v1@333.732,144.058 ; 333.074,178.745 v1@333.737,179.418 ; 333.421,143.446 333.749,143.752 333.749,143.761 ; 333.427,178.806 333.754,179.112 333.754,179.12 ; 333.797,143.469 333.82,143.492 v1@333.82,144.117 ; 333.799,143.398 333.995,143.697 v1@333.933,144.203 ; 333.803,178.828 333.826,178.851 v1@333.826,179.476 ; 333.805,178.757 334.001,179.056 v1@333.938,179.562 ; v1@333.815,144.278 333.901,144.192 333.901,143.733 ; v1@333.82,179.637 333.906,179.551 333.906,179.092 ; 333.934,167.475 334.837,166.536 ; 333.94,202.834 334.843,201.895 ; 334.385,168.804 cw(c334.541,165.709) v1@337.635,165.898 ; 334.391,204.163 cw(c334.547,201.068) v1@337.641,201.257 ; 334.801,169.459 cw(c334.957,166.363) 338.017,166.857 ccw(c338.213,166.857) 338.074,166.719 338.328,165.715 338.227,165.068 338.242,164.412 ; 334.807,204.818 cw(c334.962,201.722) 338.022,202.216 ccw(c338.218,202.216) 338.08,202.078 338.334,201.074 338.232,200.427 338.248,199.771 ; 334.814,166.571 335.836,166.567 ; 334.819,201.93 335.842,201.926 ; 334.863,166.446 335.773,166.446 ; 334.869,201.805 335.778,201.805 ; 334.895,143.828 335.4,144.327 ; 334.9,179.187 335.405,179.686 ; 334.901,143.434 334.887,143.434 334.887,143.594 ccw(c334.825,143.594) 334.825,143.656 ccw(c334.825,143.719) 334.887,143.719 334.887,144.149 cw(c335.026,144.149) 335.026,144.288 ; 334.907,178.793 334.893,178.793 334.893,178.953 ccw(c334.83,178.953) 334.83,179.016 ccw(c334.83,179.078) 334.893,179.078 334.893,179.508 cw(c335.032,179.508) 335.032,179.647 ; 334.943,143.448 334.95,143.448 cw(c334.95,143.441) 334.957,143.441 334.957,143.566 cw(c335.005,143.566) 335.005,143.615 cw(c335.005,143.622) 334.998,143.622 334.998,144.045 cw(c335.241,144.045) 335.241,144.288 ; 334.948,178.807 334.955,178.807 cw(c334.955,178.8) 334.962,178.8 334.962,178.925 cw(c335.011,178.925) 335.011,178.974 cw(c335.011,178.981) 335.004,178.981 335.004,179.404 cw(c335.247,179.404) 335.247,179.647 ; 335.887,167.476 335.895,167.476 336.322,167.476 ; 335.893,202.835 335.9,202.835 336.327,202.835 ; 335.965,167.438 336.371,167.417 ; 335.971,202.797 336.377,202.777 ; 337.078,168.683 337.092,168.668 338.386,168.225 ; 337.083,204.042 337.098,204.027 338.391,203.584 ; 337.27,168.513 338.223,167.951 ; 337.275,203.872 338.228,203.311 ; 337.639,168.188 337.89,167.759 ; 337.645,203.547 337.896,203.118 ; v1@337.896,140.203 337.896,140.787 338.133,141.024 ; v1@337.902,175.562 337.902,176.146 338.138,176.383 ; v1@337.941,140.115 339.197,140.115 ; v1@337.946,175.474 339.202,175.474 ; 337.972,167.213 338.023,167.56 ; 337.977,202.572 338.029,202.919 ; v1@338.103,140.166 338.103,140.831 338.236,140.964 ; v1@338.109,175.526 338.109,176.191 338.242,176.324 ; 338.149,167.634 338.171,166.651 ; 338.155,202.993 338.177,202.01 ; 338.164,166.378 338.297,167.671 ; 338.169,201.737 338.302,203.03 ; 338.238,170.973 v1@338.639,170.633 ; 338.244,206.333 v1@338.645,205.992 ; v1@338.656,170.65 339.423,170.409 ; v1@338.662,206.009 339.429,205.768 ; 338.815,140.815 338.899,140.815 342.124,144.041 ; 338.815,140.934 338.839,140.934 341.898,143.993 ; 338.821,176.175 338.904,176.175 342.129,179.4 ; 338.821,176.294 338.845,176.294 341.903,179.352 ; 338.931,140.979 338.377,140.979 338.199,141.157 338.007,141.157 337.682,140.831 337.682,139.96 337.734,139.908 339.056,139.908 339.396,140.248 ; 338.936,176.338 338.382,176.338 338.205,176.516 338.013,176.516 337.688,176.191 337.688,175.319 337.739,175.267 339.062,175.267 339.402,175.607 ; 339.339,140.934 342.326,143.922 342.326,144.505 ; 339.345,176.294 342.332,179.281 342.332,179.864 ; v1@339.436,159.884 339.436,160.348 340.573,161.485 342.15,161.485 343.236,160.399 ; v1@339.442,195.243 339.442,195.707 340.578,196.844 342.156,196.844 343.241,195.758 ; v1@340.25,159.727 340.25,160.292 340.88,160.922 341.845,160.922 342.591,160.175 ; v1@340.256,195.087 340.256,195.651 340.886,196.281 341.85,196.281 342.597,195.534 ; v1@341.015,160.365 341.564,160.339 341.722,160.317 341.939,160.074 342.123,159.695 ; v1@341.021,195.724 341.569,195.698 341.727,195.676 341.945,195.433 342.129,195.054 ; v1@341.123,160.118 341.698,160.107 342.081,159.827 ; v1@341.129,195.477 341.703,195.466 342.086,195.186 ; 341.189,158.581 341.813,157.418 341.809,154.832 341.795,153.305 ; 341.195,193.94 341.818,192.777 341.814,190.191 341.801,188.664 ; 341.285,152.601 341.768,153.641 ; 341.291,187.96 341.774,189 ; 341.461,151.662 341.436,152.569 341.587,153.123 ; 341.467,187.021 341.441,187.928 341.593,188.483 ; 341.517,166.761 341.546,166.761 341.711,166.595 341.711,166.354 ; 341.523,202.12 341.551,202.12 341.717,201.955 341.717,201.713 ; 341.558,151.964 341.558,152.452 341.697,152.59 ; 341.564,187.324 341.564,187.811 341.702,187.949 ; 341.587,157.599 341.838,156.769 341.853,156.769 ; 341.593,192.958 341.844,192.128 341.858,192.128 ; 341.705,151.981 341.705,153.094 341.94,153.33 ; 341.71,187.34 341.71,188.453 341.946,188.689 ; 341.777,157.485 342.028,157.025 ; 341.782,192.844 342.034,192.384 ; 341.828,158.699 v1(342.383,157.724) ; 341.834,194.058 v1(342.389,193.083) ; 341.863,152.149 342.294,152.485 342.241,153.305 ; 341.867,152.225 341.867,153.111 341.949,153.192 ; 341.869,187.509 342.299,187.845 342.247,188.664 ; 341.873,187.584 341.873,188.47 341.954,188.551 ; 341.989,151.94 341.989,153.509 342.07,153.59 ; 341.995,187.299 341.995,188.868 342.076,188.949 ; 342.032,153.515 342.049,156.681 ; 342.037,188.874 342.054,192.04 ; 342.121,148.589 343.564,151.137 343.584,151.173 ; 342.124,166.951 342.133,166.951 342.299,166.785 342.299,166.572 ; 342.127,183.948 343.57,186.496 343.589,186.532 ; 342.129,202.31 342.139,202.31 342.305,202.144 342.305,201.931 ; 342.155,153.867 342.245,153.247 ; 342.158,153.087 342.217,153.247 342.225,156.564 ; 342.161,189.226 342.251,188.606 ; 342.163,188.446 342.222,188.606 342.231,191.923 ; 342.172,157.968 342.276,157.736 v1@342.333,157.612 ; 342.175,148.29 342.274,148.837 342.65,149.155 ; 342.178,193.327 342.281,193.096 v1@342.339,192.971 ; 342.181,183.649 342.28,184.196 342.655,184.514 ; 342.217,145.073 343.019,146.08 ; 342.223,180.432 343.025,181.439 ; 342.285,157.995 v1@342.464,157.834 ; 342.29,193.354 v1@342.47,193.193 ; 342.383,159.12 343.629,156.662 ; 342.389,194.479 343.635,192.021 ; 342.439,144.431 343.553,146.508 ; 342.444,179.79 343.559,181.867 ; 342.457,148.659 342.457,148.986 343.533,150.061 343.533,150.436 ; 342.463,184.018 342.463,184.345 343.539,185.42 343.539,185.795 ; 342.485,144.157 342.866,144.561 343.202,146.073 ; 342.49,179.516 342.872,179.92 343.208,181.432 ; v1@342.527,148.548 342.527,148.826 344.082,150.381 344.082,151.699 344.54,152.157 ; v1@342.532,183.907 342.532,184.185 344.087,185.74 344.087,187.058 344.545,187.516 ; 342.577,144.372 345.155,148.538 ; 342.582,179.732 345.16,183.897 ; 342.592,144.935 343.08,146.027 ; 342.597,180.294 343.086,181.386 ; 342.605,144.747 342.586,144.775 342.605,146.022 342.965,146.336 342.965,146.327 ; 342.61,180.106 342.592,180.134 342.61,181.381 342.971,181.695 342.971,181.686 ; 342.622,145.187 342.897,145.958 ; 342.628,180.546 342.902,181.317 ; 342.702,149.008 343.286,150.032 ; 342.708,184.367 343.292,185.391 ; 342.749,145.878 342.817,146.013 ; 342.752,149.301 343.38,150.45 343.495,150.66 ; 342.755,181.237 342.822,181.372 ; 342.758,184.66 343.385,185.809 343.5,186.019 ; 342.837,146.168 343.701,147.005 ; 342.842,181.528 343.706,182.365 ; 342.878,158.316 343.632,157.196 343.533,156.743 ; 342.883,193.675 343.637,192.555 343.538,192.102 ; 342.913,145.473 344.903,148.622 ; 342.918,180.832 344.909,183.981 ; 343.003,157.808 343.072,157.097 343.244,156.722 343.261,156.718 ; 343.008,193.167 343.077,192.456 343.249,192.081 343.267,192.077 ; 343.049,146.085 v1@344.451,149.228 ; 343.054,181.444 v1@344.457,184.587 ; 343.111,146.088 344.508,148.745 ; 343.117,181.448 344.514,184.104 ; 343.166,156.413 343.829,153.322 ; 343.171,191.772 343.835,188.681 ; 343.195,146.501 v1@344.363,149.005 ; 343.201,181.86 v1@344.369,184.364 ; 343.214,157.187 343.222,157.028 ; v1@343.218,161.811 344.122,161.563 344.428,161.758 345.051,161.906 345.31,161.854 345.563,161.442 ; 343.219,192.546 343.228,192.387 ; v1@343.224,197.17 344.127,196.922 344.433,197.118 345.057,197.265 345.315,197.213 345.569,196.801 ; 343.299,150.012 343.306,150.027 343.666,150.723 ; 343.304,185.371 343.312,185.386 343.672,186.082 ; v1@343.323,162.064 343.904,161.827 v1@344.663,162.041 ; 343.325,156.463 344.451,153.289 ; v1@343.329,197.423 343.91,197.186 v1@344.669,197.4 ; 343.331,191.822 344.456,188.648 ; 343.391,145.954 345.065,148.564 ; 343.397,181.313 345.071,183.923 ; 343.443,155.892 344.115,153.532 ; 343.448,191.251 344.12,188.891 ; 343.478,150.363 343.536,151.017 ; 343.484,185.722 343.541,186.376 ; 343.502,156.581 344.487,153.743 344.222,153.196 ; 343.507,191.94 344.492,189.102 344.227,188.555 ; 343.614,151.434 343.494,151.105 343.651,150.751 343.666,150.756 ; 343.62,186.793 343.5,186.464 343.656,186.11 343.672,186.115 ; 343.629,156.394 343.696,155.951 343.705,153.339 ; 343.635,191.753 343.702,191.31 343.711,188.698 ; 343.7,150.172 343.7,150.346 343.797,150.443 ; 343.705,185.531 343.705,185.705 343.803,185.802 ; 343.738,153.519 343.738,150.672 343.768,150.641 ; 343.743,188.879 343.743,186.031 343.774,186 ; 343.822,150.656 343.906,150.656 344.005,150.756 344.005,152.351 344.165,152.512 ; 343.827,186.016 343.911,186.016 344.011,186.115 344.011,187.71 344.171,187.871 ; 343.829,153.633 343.905,154.053 ; 343.835,188.992 343.91,189.412 ; 343.868,151.053 343.868,152.252 343.944,152.328 ; 343.873,186.413 343.873,187.611 343.949,187.688 ; 343.916,150.444 344.087,150.577 ; 343.916,152.332 343.916,153.817 344.113,154.014 ; 343.922,185.803 344.092,185.936 ; 343.922,187.691 343.922,189.176 344.119,189.373 ; 343.936,155.198 343.936,155.206 ; 343.942,190.557 343.942,190.565 ; 343.999,161.738 344.207,161.815 ; 344.005,197.097 344.212,197.174 ; 344.034,152.273 344.034,153.64 344.172,153.778 ; 344.04,187.632 344.04,188.999 344.178,189.137 ; 344.155,159.952 345.022,158.284 ; 344.16,195.311 345.027,193.643 ; 344.202,152.578 344.202,153.964 344.28,154.043 ; 344.207,187.937 344.207,189.324 344.286,189.402 ; 344.228,150.495 345.079,151.303 ; 344.234,185.854 345.085,186.662 ; v1@344.299,155.8 344.286,156.615 344.54,156.647 344.723,156.569 344.814,155.448